# KiCad board qazimodo.kicad_pcb
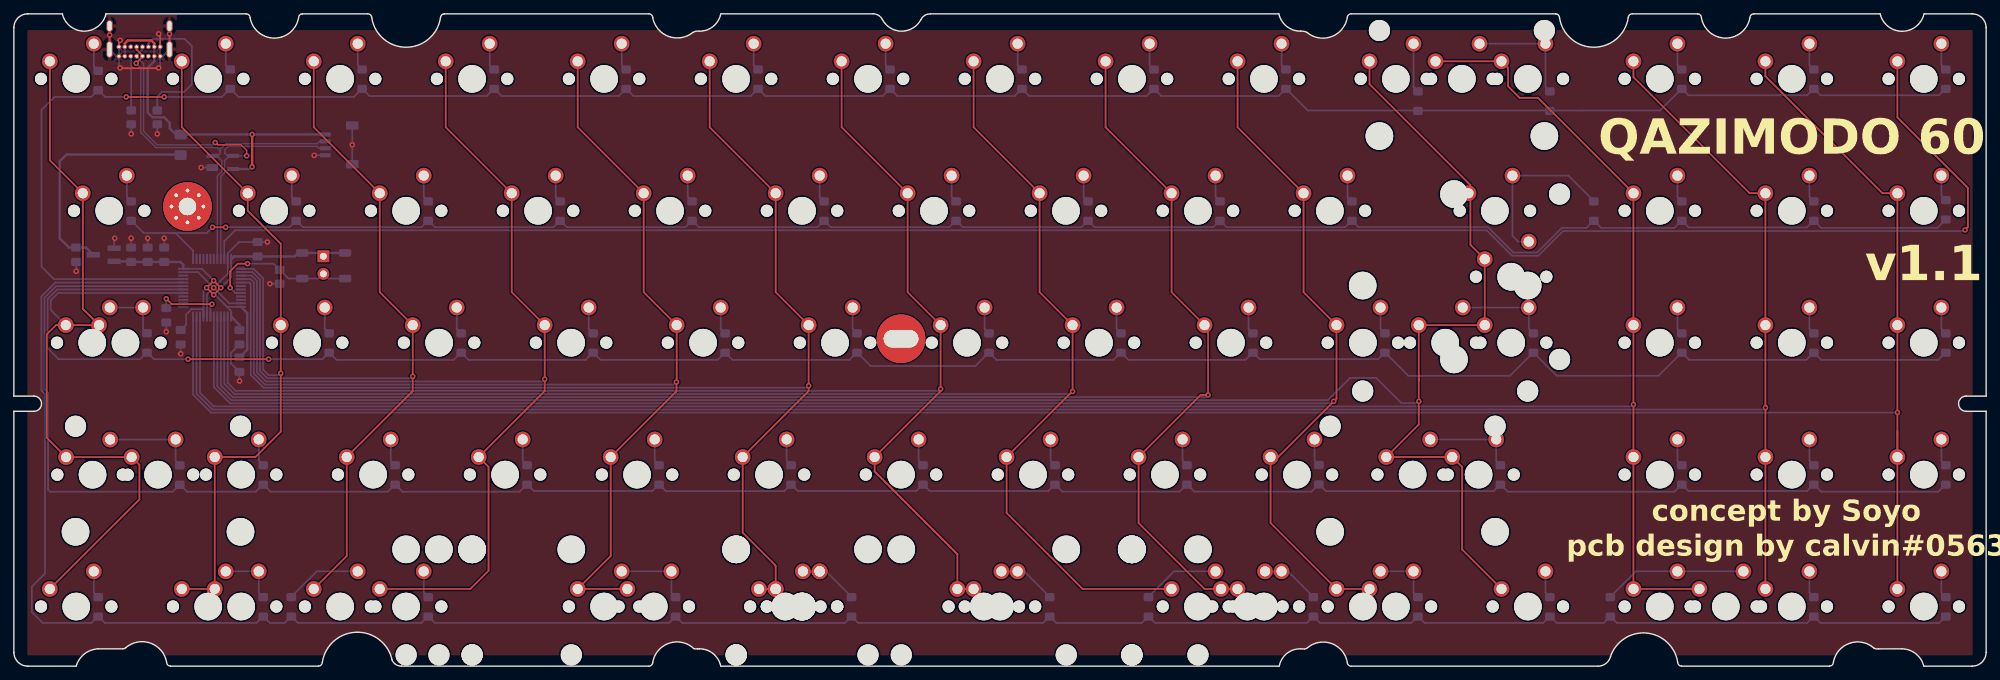
[diagram p0: board, top side]
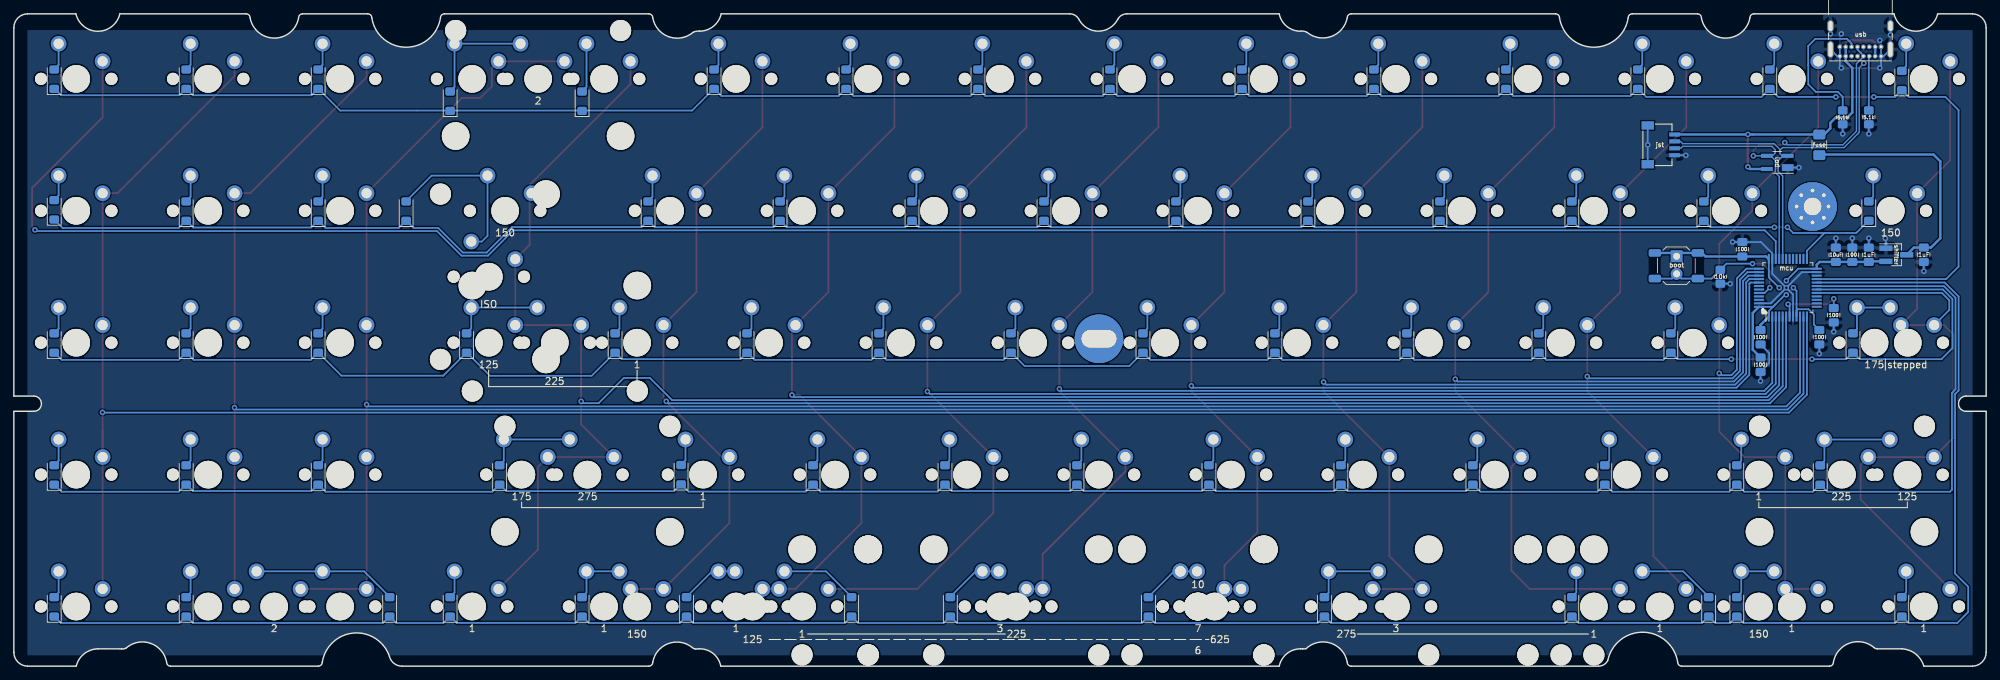
[diagram p1: board, bottom side, seen from below]

Outline 284.7 x 94.2 mm; copper layers: Top, Bottom. Coordinates in mm from the lower left corner of the outline.
Stack: Top 0.035mm / dielectric 1.51mm FR4 er 4.5 / Bottom 0.035mm

## Placement (name value [footprint] x y rotation side)
C9  100nF  [C_0805_2012Metric_Pad1.18x1.45mm_HandSolder]  21.7 59.41 90 bottom
C10  100nF  [C_0805_2012Metric_Pad1.18x1.45mm_HandSolder]  35.19 60.2 90 bottom
C11  100nF  [C_0805_2012Metric_Pad1.18x1.45mm_HandSolder]  32.56 43.54 270 bottom
C12  100nF  [C_0805_2012Metric_Pad1.18x1.45mm_HandSolder]  32.56 47.5 270 bottom
C13  100nF  [C_0805_2012Metric_Pad1.18x1.45mm_HandSolder]  24.08 47.5 270 bottom
C14  10uF  [C_0805_2012Metric_Pad1.18x1.45mm_HandSolder]  19.32 59.41 90 bottom
C15  100nF  [C_0805_2012Metric_Pad1.18x1.45mm_HandSolder]  22 50.68 270 bottom
C16  1uF  [C_0805_2012Metric_Pad1.18x1.45mm_HandSolder]  9 59.42 270 bottom
C17  1uF  [C_0805_2012Metric_Pad1.18x1.45mm_HandSolder]  16.94 59.41 90 bottom
D1  D_Small  [D_SOD-123F(handsoldering)]  35.99 27.26 90 bottom
D2  D_Small  [D_SOD-123F(handsoldering)]  12.17 84.22 90 bottom
D3  D_Small  [D_SOD-123F(handsoldering)]  16.94 65.36 90 bottom
D4  D_Small  [D_SOD-123F(handsoldering)]  19.22 46.32 90 bottom
D5  D_Small  [D_SOD-123F(handsoldering)]  23.95 27.25 90 bottom
D6  D_Small  [D_SOD-123F(handsoldering)]  12.17 8.21 90 bottom
D7  D_Small  [D_SOD-123F(handsoldering)]  31.22 84.41 90 bottom
D8  D_Small  [D_SOD-123F(handsoldering)]  40.75 65.36 90 bottom
D9  D_Small  [D_SOD-123F(handsoldering)]  45.51 46.31 90 bottom
D10  D_Small  [D_SOD-123F(handsoldering)]  55.04 27.26 90 bottom
D11  D_Small  [D_SOD-123F(handsoldering)]  35.99 8.21 90 bottom
D12  D_Small  [D_SOD-123F(handsoldering)]  50.27 84.41 90 bottom
D13  D_Small  [D_SOD-123F(handsoldering)]  59.8 65.36 90 bottom
D14  D_Small  [D_SOD-123F(handsoldering)]  64.56 46.31 90 bottom
D15  D_Small  [D_SOD-123F(handsoldering)]  74.09 27.26 90 bottom
D16  D_Small  [D_SOD-123F(handsoldering)]  40.05 8.21 90 bottom
D17  D_Small  [D_SOD-123F(handsoldering)]  69.32 84.41 90 bottom
D18  D_Small  [D_SOD-123F(handsoldering)]  78.85 65.36 90 bottom
D19  D_Small  [D_SOD-123F(handsoldering)]  83.61 46.31 90 bottom
D20  D_Small  [D_SOD-123F(handsoldering)]  93.14 27.26 90 bottom
D21  D_Small  [D_SOD-123F(handsoldering)]  59.8 8.21 90 bottom
D22  D_Small  [D_SOD-123F(handsoldering)]  88.37 84.41 90 bottom
D23  D_Small  [D_SOD-123F(handsoldering)]  97.9 65.36 90 bottom
D24  D_Small  [D_SOD-123F(handsoldering)]  102.66 46.31 90 bottom
D25  D_Small  [D_SOD-123F(handsoldering)]  112.19 27.26 90 bottom
D26  D_Small  [D_SOD-123F(handsoldering)]  95.52 8.21 90 bottom
D27  D_Small  [D_SOD-123F(handsoldering)]  107.42 84.41 90 bottom
D28  D_Small  [D_SOD-123F(handsoldering)]  116.95 65.36 90 bottom
D29  D_Small  [D_SOD-123F(handsoldering)]  121.71 46.31 90 bottom
D30  D_Small  [D_SOD-123F(handsoldering)]  131.24 27.26 90 bottom
D31  D_Small  [D_SOD-123F(handsoldering)]  120.92 8.21 90 bottom
D32  D_Small  [D_SOD-123F(handsoldering)]  126.47 84.41 90 bottom
D33  D_Small  [D_SOD-123F(handsoldering)]  136 65.36 90 bottom
D34  D_Small  [D_SOD-123F(handsoldering)]  140.76 46.31 90 bottom
D35  D_Small  [D_SOD-123F(handsoldering)]  150.29 27.26 90 bottom
D36  D_Small  [D_SOD-123F(handsoldering)]  149.52 8.21 90 bottom
D37  D_Small  [D_SOD-123F(handsoldering)]  145.52 84.41 90 bottom
D38  D_Small  [D_SOD-123F(handsoldering)]  155.05 65.36 90 bottom
D39  D_Small  [D_SOD-123F(handsoldering)]  159.81 46.31 90 bottom
D40  D_Small  [D_SOD-123F(handsoldering)]  169.34 27.26 90 bottom
D41  D_Small  [D_SOD-123F(handsoldering)]  163.78 8.21 90 bottom
D42  D_Small  [D_SOD-123F(handsoldering)]  188.39 27.3 90 bottom
D43  D_Small  [D_SOD-123F(handsoldering)]  164.57 84.41 90 bottom
D44  D_Small  [D_SOD-123F(handsoldering)]  174.1 65.36 90 bottom
D45  D_Small  [D_SOD-123F(handsoldering)]  178.86 46.31 90 bottom
D46  D_Small  [D_SOD-123F(handsoldering)]  214.58 27.26 90 bottom
D47  D_Small  [D_SOD-123F(handsoldering)]  187.59 8.21 90 bottom
D48  D_Small  [D_SOD-123F(handsoldering)]  219.34 46.31 90 bottom
D49  D_Small  [D_SOD-123F(handsoldering)]  183.62 84.41 90 bottom
D50  D_Small  [D_SOD-123F(handsoldering)]  193.15 65.36 90 bottom
D51  D_Small  [D_SOD-123F(handsoldering)]  197.91 46.31 90 bottom
D52  D_Small  [D_SOD-123F(handsoldering)]  240.77 27.26 90 bottom
D53  D_Small  [D_SOD-123F(handsoldering)]  202.67 8.21 90 bottom
D54  D_Small  [D_SOD-123F(handsoldering)]  202.67 81.23 90 bottom
D55  D_Small  [D_SOD-123F(handsoldering)]  228.07 65.36 90 bottom
D56  D_Small  [D_SOD-123F(handsoldering)]  240.77 46.31 90 bottom
D57  D_Small  [D_SOD-123F(handsoldering)]  259.82 27.26 90 bottom
D58  D_Small  [D_SOD-123F(handsoldering)]  221.72 8.21 90 bottom
D59  D_Small  [D_SOD-123F(handsoldering)]  221.72 81.23 90 bottom
D60  D_Small  [D_SOD-123F(handsoldering)]  240.77 65.36 90 bottom
D61  D_Small  [D_SOD-123F(handsoldering)]  259.82 46.31 90 bottom
D62  D_Small  [D_SOD-123F(handsoldering)]  278.87 27.26 90 bottom
D63  D_Small  [D_SOD-123F(handsoldering)]  230.46 8.21 90 bottom
D64  D_Small  [D_SOD-123F(handsoldering)]  240.77 84.41 90 bottom
D65  D_Small  [D_SOD-123F(handsoldering)]  259.82 65.36 90 bottom
D66  D_Small  [D_SOD-123F(handsoldering)]  278.87 46.31 90 bottom
D67  D_Small  [D_SOD-123F(handsoldering)]  259.82 8.21 90 bottom
D68  D_Small  [D_SOD-123F(handsoldering)]  259.82 84.41 90 bottom
D69  D_Small  [D_SOD-123F(handsoldering)]  278.87 65.55 90 bottom
D70  D_Small  [D_SOD-123F(handsoldering)]  278.87 84.41 90 bottom
D71  D_Small  [D_SOD-123F(handsoldering)]  278.87 8.21 90 bottom
D72  PRTR5V0U2X  [SOT-143_Handsoldering]  30.14 72.74 0 bottom
F1  500mA  [Fuse_1206_3216Metric_Pad1.42x1.75mm_HandSolder]  24.08 75.28 270 bottom
J2  Conn_01x04_MountingPin  [JST-SR-4]  49.75 75.28 270 bottom
J3  USB_C_Receptacle_USB2.0  [USB_C_Receptacle_GCT_USB4085]  15.17 88.09 0 bottom
MX1  MX-NoLED  [MXOnly-1U-NoLED]  9 84.81 0 top
MX2  MX-NoLED  [MXOnly-1U-NoLED]  28.05 84.81 0 top
MX3  MX-NoLED  [MXOnly-1U-NoLED]  47.1 84.81 0 top
MX4  MX-NoLED  [MXOnly-1U-NoLED]  66.15 84.81 0 top
MX5  MX-NoLED  [MXOnly-1U-NoLED]  85.2 84.81 0 top
MX6  MX-NoLED  [MXOnly-1U-NoLED]  104.25 84.81 0 top
MX7  MX-NoLED  [MXOnly-1U-NoLED]  123.3 84.81 0 top
MX8  MX-NoLED  [MXOnly-1U-NoLED]  142.35 84.81 0 top
MX9  MX-NoLED  [MXOnly-1U-NoLED]  161.4 84.81 0 top
MX10  MX-NoLED  [MXOnly-1U-NoLED]  180.45 84.81 0 top
MX11  MX-NoLED  [MXOnly-1U-NoLED]  199.5 84.81 0 top
MX12  MX-NoLED  [MXOnly-1U-NoLED]  218.55 84.81 0 top
MX12a1  MX-NoLED  [MXOnly-2U-NoLED]  209.02 84.81 0 top
MX13  MX-NoLED  [MXOnly-1U-NoLED]  237.6 84.81 0 top
MX14  MX-NoLED  [MXOnly-1U-NoLED]  256.65 84.81 0 top
MX15  MX-NoLED  [MXOnly-1U-NoLED]  275.7 84.81 0 top
MX16  MX-NoLED  [MXOnly-1.5U-NoLED]  13.76 65.76 0 top
MX17  MX-NoLED  [MXOnly-1U-NoLED]  37.57 65.76 0 top
MX18  MX-NoLED  [MXOnly-1U-NoLED]  56.62 65.76 0 top
MX19  MX-NoLED  [MXOnly-1U-NoLED]  75.67 65.76 0 top
MX20  MX-NoLED  [MXOnly-1U-NoLED]  94.72 65.76 0 top
MX21  MX-NoLED  [MXOnly-1U-NoLED]  113.77 65.76 0 top
MX22  MX-NoLED  [MXOnly-1U-NoLED]  132.82 65.76 0 top
MX23  MX-NoLED  [MXOnly-1U-NoLED]  151.87 65.76 0 top
MX24  MX-NoLED  [MXOnly-1U-NoLED]  170.92 65.76 0 top
MX25  MX-NoLED  [MXOnly-1U-NoLED]  189.97 65.76 0 top
MX26  MX-NoLED  [MXOnly-1.5U-NoLED]  213.79 65.76 0 top
MX26a1  MX-NoLED  [MXOnly-ISO-ReversedStabilizers-NoLED]  216.14 56.23 0 top
MX27  MX-NoLED  [MXOnly-1U-NoLED]  237.6 65.76 0 top
MX28  MX-NoLED  [MXOnly-1U-NoLED]  256.65 65.76 0 top
MX29  MX-NoLED  [MXOnly-1U-NoLED]  275.7 65.76 0 top
MX30  MX-NoLED  [MXOnly-1.75U-NoLED]  16.11 46.71 0 top
MX30a1  MX-NoLED  [MXOnly-1.25U-NoLED]  11.31 46.71 0 top
MX31  MX-NoLED  [MXOnly-1U-NoLED]  42.34 46.71 0 top
MX32  MX-NoLED  [MXOnly-1U-NoLED]  61.39 46.71 0 top
MX33  MX-NoLED  [MXOnly-1U-NoLED]  80.44 46.71 0 top
MX34  MX-NoLED  [MXOnly-1U-NoLED]  99.49 46.71 0 top
MX35  MX-NoLED  [MXOnly-1U-NoLED]  118.54 46.71 0 top
MX36  MX-NoLED  [MXOnly-1U-NoLED]  137.59 46.71 0 top
MX37  MX-NoLED  [MXOnly-1U-NoLED]  156.64 46.71 0 top
MX38  MX-NoLED  [MXOnly-1U-NoLED]  175.69 46.71 0 top
MX39  MX-NoLED  [MXOnly-2.25U-ReversedStabilizers-NoLED]  206.61 46.71 0 top
MX39a1  MX-NoLED  [MXOnly-1U-NoLED]  194.74 46.71 0 top
MX39b1  MX-NoLED  [MXOnly-1.25U-NoLED]  216.14 46.71 0 top
MX40  MX-NoLED  [MXOnly-1U-NoLED]  237.6 46.71 0 top
MX41  MX-NoLED  [MXOnly-1U-NoLED]  256.65 46.71 0 top
MX42  MX-NoLED  [MXOnly-1U-NoLED]  275.7 46.71 0 top
MX43  MX-NoLED  [MXOnly-2.25U-NoLED]  20.81 27.66 0 top
MX43a1  MX-NoLED  [MXOnly-1.25U-NoLED]  11.36 27.64 0 top
MX43b1  MX-NoLED  [MXOnly-1U-NoLED]  32.81 27.66 0 top
MX44  MX-NoLED  [MXOnly-1U-NoLED]  51.86 27.66 0 top
MX45  MX-NoLED  [MXOnly-1U-NoLED]  70.91 27.66 0 top
MX46  MX-NoLED  [MXOnly-1U-NoLED]  89.96 27.66 0 top
MX47  MX-NoLED  [MXOnly-1U-NoLED]  109.01 27.66 0 top
MX48  MX-NoLED  [MXOnly-1U-NoLED]  128.06 27.66 0 top
MX49  MX-NoLED  [MXOnly-1U-NoLED]  147.11 27.66 0 top
MX50  MX-NoLED  [MXOnly-1U-NoLED]  166.16 27.66 0 top
MX51  MX-NoLED  [MXOnly-1U-NoLED]  185.21 27.66 0 top
MX51a1  MX-NoLED  [MXOnly-1.75U-NoLED]  211.44 27.66 0 top
MX51b1  MX-NoLED  [MXOnly-2.75U-NoLED]  201.91 27.66 0 top
MX52  MX-NoLED  [MXOnly-1U-NoLED]  237.6 27.66 0 top
MX53  MX-NoLED  [MXOnly-1U-NoLED]  256.65 27.66 0 top
MX54  MX-NoLED  [MXOnly-1U-NoLED]  275.7 27.66 0 top
MX55  MX-NoLED  [MXOnly-1U-NoLED]  9 8.61 0 top
MX56  MX-NoLED  [MXOnly-1U-NoLED]  28.05 8.61 0 top
MX56b1  MX-NoLED  [MXOnly-1.5U-NoLED]  32.81 8.61 0 top
MX57a1  MX-NoLED  [MXOnly-1U-NoLED]  47.1 8.61 0 top
MX58  MX-NoLED  [MXOnly-1U-NoLED]  56.62 8.61 0 top
MX59  MX-NoLED  [MXOnly-2.75U-ReversedStabilizers-NoLED]  92.37 8.61 0 top
MX59a1  MX-NoLED  [MXOnly-3U-ReversedStabilizers-NoLED]  85.2 8.61 0 top
MX60  MX-NoLED  [MXOnly-7U-ReversedStabilizers-NoLED]  113.77 8.61 0 top
MX60a1  MX-NoLED  [MXOnly-6.25U-ReversedStabilizers-NoLED]  111.36 8.61 0 top
MX60b1  MX-NoLED  [MXOnly-6U-Centered-ReversedStabilizers-NoLED]  113.77 8.61 0 top
MX60c1  MX-NoLED  [CherryMX_10.00u]  113.77 8.61 0 top
MX61  MX-NoLED  [MXOnly-2.25U-ReversedStabilizers-NoLED]  140.01 8.61 0 top
MX61a1  MX-NoLED  [MXOnly-3U-ReversedStabilizers-NoLED]  142.35 8.61 0 top
MX62  MX-NoLED  [MXOnly-1U-NoLED]  170.92 8.61 0 top
MX63  MX-NoLED  [MXOnly-1U-NoLED]  180.45 8.61 0 top
MX63b1  MX-NoLED  [MXOnly-1.25U-NoLED]  178.07 8.61 0 top
MX64  MX-NoLED  [MXOnly-1.5U-NoLED]  194.74 8.61 0 top
MX64b1  MX-NoLED  [MXOnly-1U-NoLED]  199.5 8.61 0 top
MX65b1  MX-NoLED  [MXOnly-1U-NoLED]  218.55 8.61 0 top
MX66  MX-NoLED  [MXOnly-1U-NoLED]  237.6 8.61 0 top
MX66a1  MX-NoLED  [MXOnly-2U-ReversedStabilizers-NoLED]  247.12 8.61 0 top
MX67  MX-NoLED  [MXOnly-1U-NoLED]  256.65 8.61 0 top
MX68  MX-NoLED  [MXOnly-1U-NoLED]  275.7 8.61 0 top
NOREF  -  [bad433fe-e59e-4cc5-9a2c-e9a85b9d332d]  284.11 0.59 0 top
R5  10k  [R_0805_2012Metric_Pad1.20x1.40mm_HandSolder]  38.37 56.23 270 bottom
R_USB1  5.1k  [R_0805_2012Metric_Pad1.20x1.40mm_HandSolder]  16.94 79.25 270 bottom
R_USB2  5.1k  [R_0805_2012Metric_Pad1.20x1.40mm_HandSolder]  20.71 79.25 270 bottom
SW1  SW_push  [SW_SPST_SKQG_WithStem]  44.72 57.82 180 bottom
SW2  SW_push  [PinHeader_1x02_P2.54mm_Vertical]  44.68 59.19 180 bottom
U2  STM32F072CBTx  [LQFP-48_7x7mm_P0.5mm]  28.62 54.65 90 bottom
U3  XC6206PxxxMR-Regulator_Linear  [SOT-23_Handsoldering]  12.97 59.41 180 bottom

## Library data of the parts
C9-C17 = -: ki_fp_filters: C_*
D1-D71 = -: ki_fp_filters: TO-???* *_Diode_* *SingleDiode* D_*
D72 = -: Datasheet: https://assets.nexperia.com/documents/data-sheet/PRTR5V0U2X.pdf; ki_fp_filters: SOT?143*
F1 = -: ki_fp_filters: *polyfuse* *PTC*
J2 = -: ki_fp_filters: Connector*:*_1x??_*
J3 = -: Datasheet: https://www.usb.org/sites/default/files/documents/usb_type-c.zip; ki_fp_filters: USB*C*Receptacle*
R5 R_USB1 R_USB2 = -: ki_fp_filters: R_*
U2 = -: Datasheet: https://www.st.com/resource/en/datasheet/stm32f072cb.pdf; ki_fp_filters: LQFP*7x7mm*P0.5mm*
U3 = -: Datasheet: https://www.torexsemi.com/file/xc6206/XC6206.pdf; LCSC: C5446; ki_fp_filters: SOT?23*

## Footprints (pads in the part's own frame, mm; a bottom-side part is the same pattern mirrored in y, then rotated)
bad433fe-e59e-4cc5-9a2c-e9a85b9d332d
  round 1 hole 0.5: 1(-261.353,65.795) 1(-261.353,65.795) 1(-260.679,67.422) 1(-260.679,67.422) 1(-260.679,64.169) 1(-260.679,64.169) 1(-259.053,68.095) 1(-259.053,68.095) 1(-259.053,63.495) 1(-259.053,63.495) 1(-257.426,67.422) 1(-257.426,67.422) 1(-257.426,64.169) 1(-257.426,64.169) 1(-256.753,65.795) 1(-256.753,65.795)
  round 7.001 hole 2.499: 1(-259.053,65.795) 1(-259.053,65.795)
  round 7 hole 5.001x2.499: 2(-156.053,46.695) 2(-156.053,46.695)
C_0805_2012Metric_Pad1.18x1.45mm_HandSolder
  rrect 1.175x1.45 smd: 1(-1.038,0) 2(1.038,0)
CherryMX_10.00u
  round 4 hole 4 unplated: (0,0)
  round 2.2 hole 1.5: 1(-3.81,2.54) 2(2.54,5.08)
D_SOD-123F(handsoldering)
  rrect 1.2x1.4 smd: 1(-1.05,0) 2(1.75,0)
Fuse_1206_3216Metric_Pad1.42x1.75mm_HandSolder
  rrect 1.425x1.75 smd: 1(-1.488,0) 2(1.488,0)
JST-SR-4
  rect 1.2x1.8 smd: (-2.8,0.9) (2.8,0.9)
  rect 0.6x1.55 smd: 1(-1.5,4.775) 2(-0.5,4.775) 3(0.5,4.775) 4(1.5,4.775)
LQFP-48_7x7mm_P0.5mm
  rrect 1.475x0.3 smd: 1(-4.162,2.75) 2(-4.162,2.25) 3(-4.162,1.75) 4(-4.162,1.25) 5(-4.162,0.75) 6(-4.162,0.25) 7(-4.162,-0.25) 8(-4.162,-0.75) 9(-4.162,-1.25) 10(-4.162,-1.75) 11(-4.162,-2.25) 12(-4.162,-2.75) 25(4.162,-2.75) 26(4.162,-2.25) 27(4.162,-1.75) 28(4.162,-1.25) 29(4.162,-0.75) 30(4.162,-0.25) 31(4.162,0.25) 32(4.162,0.75) 33(4.162,1.25) 34(4.162,1.75) 35(4.162,2.25) 36(4.162,2.75)
  rrect 0.3x1.475 smd: 13(-2.75,-4.162) 14(-2.25,-4.162) 15(-1.75,-4.162) 16(-1.25,-4.162) 17(-0.75,-4.162) 18(-0.25,-4.162) 19(0.25,-4.162) 20(0.75,-4.162) 21(1.25,-4.162) 22(1.75,-4.162) 23(2.25,-4.162) 24(2.75,-4.162) 37(2.75,4.162) 38(2.25,4.162) 39(1.75,4.162) 40(1.25,4.162) 41(0.75,4.162) 42(0.25,4.162) 43(-0.25,4.162) 44(-0.75,4.162) 45(-1.25,4.162) 46(-1.75,4.162) 47(-2.25,4.162) 48(-2.75,4.162)
MXOnly-1.5U-NoLED
  round 1.75 hole 1.75 unplated: (-5.08,0) (5.08,0)
  round 3.988 hole 3.988 unplated: (0,0)
  round 2.25 hole 1.47: 1(-3.81,2.54) 2(2.54,5.08)
MXOnly-1.25U-NoLED
  round 1.75 hole 1.75 unplated: (-5.08,0) (5.08,0)
  round 3.988 hole 3.988 unplated: (0,0)
  round 2.25 hole 1.47: 1(-3.81,2.54) 2(2.54,5.08)
MXOnly-1.75U-NoLED
  round 1.75 hole 1.75 unplated: (-5.08,0) (5.08,0)
  round 3.988 hole 3.988 unplated: (0,0)
  round 2.25 hole 1.47: 1(-3.81,2.54) 2(2.54,5.08)
MXOnly-1U-NoLED
  round 1.75 hole 1.75 unplated: (-5.08,0) (5.08,0)
  round 3.988 hole 3.988 unplated: (0,0)
  round 2.25 hole 1.47: 1(-3.81,2.54) 2(2.54,5.08)
MXOnly-2.25U-NoLED
  round 3.048 hole 3.048 unplated: (-11.906,6.985) (11.906,6.985)
  round 3.988 hole 3.988 unplated: (-11.906,-8.255) (0,0) (11.906,-8.255)
  round 1.75 hole 1.75 unplated: (-5.08,0) (5.08,0)
  round 2.25 hole 1.47: 1(-3.81,2.54) 2(2.54,5.08)
MXOnly-2.25U-ReversedStabilizers-NoLED
  round 3.988 hole 3.988 unplated: (-11.906,8.255) (0,0) (11.906,8.255)
  round 3.048 hole 3.048 unplated: (-11.906,-6.985) (11.906,-6.985)
  round 1.75 hole 1.75 unplated: (-5.08,0) (5.08,0)
  round 2.25 hole 1.47: 1(-3.81,2.54) 2(2.54,5.08)
MXOnly-2.75U-NoLED
  round 3.048 hole 3.048 unplated: (-11.906,6.985) (11.906,6.985)
  round 3.988 hole 3.988 unplated: (-11.906,-8.255) (0,0) (11.906,-8.255)
  round 1.75 hole 1.75 unplated: (-5.08,0) (5.08,0)
  round 2.25 hole 1.47: 1(-3.81,2.54) 2(2.54,5.08)
MXOnly-2.75U-ReversedStabilizers-NoLED
  round 3.988 hole 3.988 unplated: (-11.906,8.255) (0,0) (11.906,8.255)
  round 3.048 hole 3.048 unplated: (-11.906,-6.985) (11.906,-6.985)
  round 1.75 hole 1.75 unplated: (-5.08,0) (5.08,0)
  round 2.25 hole 1.47: 1(-3.81,2.54) 2(2.54,5.08)
MXOnly-2U-NoLED
  round 3.048 hole 3.048 unplated: (-11.906,6.985) (11.906,6.985)
  round 3.988 hole 3.988 unplated: (-11.906,-8.255) (0,0) (11.906,-8.255)
  round 1.75 hole 1.75 unplated: (-5.08,0) (5.08,0)
  round 2.25 hole 1.47: 1(-3.81,2.54) 2(2.54,5.08)
MXOnly-2U-ReversedStabilizers-NoLED
  round 1.75 hole 1.75 unplated: (-5.08,0) (5.08,0)
  round 3.988 hole 3.988 unplated: (0,0)
  round 2.25 hole 1.47: 1(-3.81,2.54) 2(2.54,5.08)
MXOnly-3U-ReversedStabilizers-NoLED
  round 3.988 hole 3.988 unplated: (-19.05,8.255) (0,0) (19.05,8.255)
  round 3.048 hole 3.048 unplated: (-19.05,-6.985) (19.05,-6.985)
  round 1.75 hole 1.75 unplated: (-5.08,0) (5.08,0)
  round 2.25 hole 1.47: 1(-3.81,2.54) 2(2.54,5.08)
MXOnly-6.25U-ReversedStabilizers-NoLED
  round 3.988 hole 3.988 unplated: (-50,8.255) (0,0) (50,8.255)
  round 3.048 hole 3.048 unplated: (-50,-6.985) (50,-6.985)
  round 1.75 hole 1.75 unplated: (-5.08,0) (5.08,0)
  round 2.25 hole 1.47: 1(-3.81,2.54) 2(2.54,5.08)
MXOnly-6U-Centered-ReversedStabilizers-NoLED
  round 3.988 hole 3.988 unplated: (-47.625,8.255) (0,0) (47.625,8.255)
  round 3.048 hole 3.048 unplated: (-47.625,-6.985) (47.625,-6.985)
  round 1.75 hole 1.75 unplated: (-5.08,0) (5.08,0)
  round 2.25 hole 1.47: 1(-3.81,2.54) 2(2.54,5.08)
MXOnly-7U-ReversedStabilizers-NoLED
  round 3.988 hole 3.988 unplated: (-57.15,8.255) (0,0) (57.15,8.255)
  round 3.048 hole 3.048 unplated: (-57.15,-6.985) (57.15,-6.985)
  round 1.75 hole 1.75 unplated: (-5.08,0) (5.08,0)
  round 2.25 hole 1.47: 1(-3.81,2.54) 2(2.54,5.08)
MXOnly-ISO-ReversedStabilizers-NoLED
  round 3.988 hole 3.988 unplated: (-8.255,11.938) (-8.255,-11.938) (0,0)
  round 1.75 hole 1.75 unplated: (-5.08,0) (5.08,0)
  round 3.048 hole 3.048 unplated: (6.985,11.938) (6.985,-11.938)
  round 2.25 hole 1.47: 1(-3.81,2.54) 2(2.54,5.08)
PinHeader_1x02_P2.54mm_Vertical
  rect 1.7x1.7 hole 1: 1(0,0)
  oval 1.7x1.7 hole 1: 2(0,-2.54)
R_0805_2012Metric_Pad1.20x1.40mm_HandSolder
  rrect 1.2x1.4 smd: 1(-1,0) 2(1,0)
SOT-23_Handsoldering
  rect 1.9x0.8 smd: 1(-1.5,0.95) 2(-1.5,-0.95) 3(1.5,0)
SOT-143_Handsoldering
  rect 1.7x1 smd: 1(-1.5,0.75)
  rect 1.7x0.6 smd: 2(-1.5,-0.95) 3(1.5,-0.95) 4(1.5,0.95)
SW_SPST_SKQG_WithStem
  rrect 1.8x1.1 smd: 1(-3.1,1.85) 1(3.1,1.85) 2(-3.1,-1.85) 2(3.1,-1.85)
USB_C_Receptacle_GCT_USB4085
  round 0.7 hole 0.4: A1(0,0) A4(0.85,0) A5(1.7,0) A6(2.55,0) A7(3.4,0) A8(4.25,0) A9(5.1,0) A12(5.95,0) B1(5.95,-1.35) B4(5.1,-1.35) B5(4.25,-1.35) B6(3.4,-1.35) B7(2.55,-1.35) B8(1.7,-1.35) B9(0.85,-1.35) B12(0,-1.35)
  oval 0.9x1.7 hole 0.6x1.4: S1(-1.35,-4.36) S1(7.3,-4.36)
  oval 0.9x2.4 hole 0.6x2.1: S1(-1.35,-0.98) S1(7.3,-0.98)

## Nets
+3V3: C9.1 C10.1 C11.1 C12.1 C13.1 C14.1 C17.1 SW1.1 SW2.1 U2.1 U2.9 U2.24 U2.36 U2.48 U3.2
+5V: C16.1 F1.2 U3.3
GND: C9.2 C10.2 C11.2 C12.2 C13.2 C14.2 C15.2 C16.2 C17.2 D72.1 J2.4 J3.A1 J3.A12 J3.B1 J3.B12 J3.S1 R5.2 R_USB1.2 R_USB2.2 U2.8 U2.23 U2.35 U2.47 U3.1
VCC: D72.4 F1.1 J2.1 J3.A4 J3.A9 J3.B4 J3.B9
BOOT0: R5.1 SW1.2 SW2.2 U2.44
COL0: MX1.1 MX16.1 MX30.1 MX30a1.1 MX43.1 MX43a1.1 MX55.1 U2.17
COL1: MX2.1 MX17.1 MX31.1 MX43b1.1 MX56.1 MX56b1.1 U2.37
COL2: MX3.1 MX18.1 MX32.1 MX44.1 MX57a1.1 U2.38
COL3: MX4.1 MX19.1 MX33.1 MX45.1 MX58.1 U2.39
COL4: MX5.1 MX20.1 MX34.1 MX46.1 MX59.1 MX59a1.1 U2.40
COL5: MX6.1 MX21.1 MX35.1 MX47.1 MX60.1 MX60a1.1 MX60b1.1 MX60c1.1 U2.41
COL6: MX7.1 MX22.1 MX36.1 MX48.1 MX61.1 MX61a1.1 U2.2
COL7: MX8.1 MX23.1 MX37.1 MX49.1 MX62.1 U2.3
COL8: MX9.1 MX24.1 MX38.1 MX50.1 MX63.1 MX63b1.1 U2.4
COL9: MX10.1 MX25.1 MX39a1.1 MX51.1 MX64.1 MX64b1.1 U2.6
COL10: MX11.1 MX26.1 MX26a1.1 MX39.1 MX39b1.1 MX51a1.1 MX51b1.1 MX65b1.1 U2.5
COL11: MX12.1 MX12a1.1 MX27.1 MX40.1 MX52.1 MX66.1 MX66a1.1 U2.10
COL12: MX13.1 MX28.1 MX41.1 MX53.1 MX67.1 U2.11
COL13: MX14.1 MX29.1 MX42.1 MX54.1 MX68.1 U2.12
COL14: MX15.1 U2.34
D+: D72.3 J2.3 J3.A6 J3.B6 U2.33
D-: D72.2 J2.2 J3.A7 J3.B7 U2.32
NRST: C15.1 U2.7
ROW0: D2.1 D7.1 D12.1 D17.1 D22.1 D27.1 D32.1 D37.1 D43.1 D49.1 D54.1 D59.1 D64.1 D68.1 D70.1 U2.21
ROW1: D3.1 D8.1 D13.1 D18.1 D23.1 D28.1 D33.1 D38.1 D44.1 D50.1 D55.1 D60.1 D65.1 D69.1 U2.25
ROW2: D4.1 D9.1 D14.1 D19.1 D24.1 D29.1 D34.1 D39.1 D45.1 D48.1 D51.1 D56.1 D61.1 D66.1 U2.18
ROW3: D1.1 D5.1 D10.1 D15.1 D20.1 D25.1 D30.1 D35.1 D40.1 D42.1 D46.1 D52.1 D57.1 D62.1 U2.19
ROW4: D6.1 D11.1 D16.1 D21.1 D26.1 D31.1 D36.1 D41.1 D47.1 D53.1 D58.1 D63.1 D67.1 D71.1 U2.20
Net-(C_USBSHIELD1-Pad1): NOREF.1
Net-(D1-A): D1.2 MX43b1.2
Net-(D2-A): D2.2 MX1.2
Net-(D3-A): D3.2 MX16.2
Net-(D4-A): D4.2 MX30.2 MX30a1.2
Net-(D5-A): D5.2 MX43.2 MX43a1.2
Net-(D6-A): D6.2 MX55.2
Net-(D7-A): D7.2 MX2.2
Net-(D8-A): D8.2 MX17.2
Net-(D9-A): D9.2 MX31.2
Net-(D10-A): D10.2 MX44.2
Net-(D11-A): D11.2 MX56.2 MX56b1.2
Net-(D12-A): D12.2 MX3.2
Net-(D13-A): D13.2 MX18.2
Net-(D14-A): D14.2 MX32.2
Net-(D15-A): D15.2 MX45.2
Net-(D16-A): D16.2 MX57a1.2
Net-(D17-A): D17.2 MX4.2
Net-(D18-A): D18.2 MX19.2
Net-(D19-A): D19.2 MX33.2
Net-(D20-A): D20.2 MX46.2
Net-(D21-A): D21.2 MX58.2
Net-(D22-A): D22.2 MX5.2
Net-(D23-A): D23.2 MX20.2
Net-(D24-A): D24.2 MX34.2
Net-(D25-A): D25.2 MX47.2
Net-(D26-A): D26.2 MX59.2 MX59a1.2
Net-(D27-A): D27.2 MX6.2
Net-(D28-A): D28.2 MX21.2
Net-(D29-A): D29.2 MX35.2
Net-(D30-A): D30.2 MX48.2
Net-(D31-A): D31.2 MX60.2 MX60a1.2 MX60b1.2 MX60c1.2
Net-(D32-A): D32.2 MX7.2
Net-(D33-A): D33.2 MX22.2
Net-(D34-A): D34.2 MX36.2
Net-(D35-A): D35.2 MX49.2
Net-(D36-A): D36.2 MX61.2 MX61a1.2
Net-(D37-A): D37.2 MX8.2
Net-(D38-A): D38.2 MX23.2
Net-(D39-A): D39.2 MX37.2
Net-(D40-A): D40.2 MX50.2
Net-(D41-A): D41.2 MX62.2
Net-(D42-A): D42.2 MX51.2
Net-(D43-A): D43.2 MX9.2
Net-(D44-A): D44.2 MX24.2
Net-(D45-A): D45.2 MX38.2
Net-(D46-A): D46.2 MX51a1.2 MX51b1.2
Net-(D47-A): D47.2 MX63.2 MX63b1.2
Net-(D48-A): D48.2 MX39.2 MX39b1.2
Net-(D49-A): D49.2 MX10.2
Net-(D50-A): D50.2 MX25.2
Net-(D51-A): D51.2 MX39a1.2
Net-(D52-A): D52.2 MX52.2
Net-(D53-A): D53.2 MX64.2 MX64b1.2
Net-(D54-A): D54.2 MX11.2
Net-(D55-A): D55.2 MX26.2 MX26a1.2
Net-(D56-A): D56.2 MX40.2
Net-(D57-A): D57.2 MX53.2
Net-(D58-A): D58.2 MX65b1.2
Net-(D59-A): D59.2 MX12.2 MX12a1.2
Net-(D60-A): D60.2 MX27.2
Net-(D61-A): D61.2 MX41.2
Net-(D62-A): D62.2 MX54.2
Net-(D63-A): D63.2 MX66.2 MX66a1.2
Net-(D64-A): D64.2 MX13.2
Net-(D65-A): D65.2 MX28.2
Net-(D66-A): D66.2 MX42.2
Net-(D67-A): D67.2 MX67.2
Net-(D68-A): D68.2 MX14.2
Net-(D69-A): D69.2 MX29.2
Net-(D70-A): D70.2 MX15.2
Net-(D71-A): D71.2 MX68.2
Net-(J3-CC1): J3.A5 R_USB1.1
Net-(J3-CC2): J3.B5 R_USB2.1

Pads without a net: J3 A8 B8; NOREF 2; U2 13 14 15 16 22 26 27 28 29 30 31 42 43 45 46

## Via types
v1: diameter 0.8, hole 0.4, Top to Bottom, 55 vias

## Routing (per net, layer and track width the routed paths; a pad name or vN(x,y) marks a point on that pad's centre or on a via; arc(x,y) is an arc through that point)
+3V3: length 71.7
  Top w0.25: v1(27.82,54.65) v1(28.84,55.67) v1(29.87,54.65) v1(28.84,53.62) v1(27.82,54.65)
  Bottom w0.25: U2.1 31.37,51.29 30.41,52.25 ; 30.41,52.25 29.04,53.62 v1(28.84,53.62) ; 30.41,52.25 30.76,51.9 U2.48 ; C13.1 24.87,49.33 24.87,50.79 25.63,51.55 27.18,51.55 27.37,51.36 U2.9 27.37,54.2 v1(27.82,54.65) ; U2.36 31.37,56.15 v1(29.87,54.65) ; v1(28.84,55.67) 27.12,57.4 U2.24
  Bottom w0.35: SW1.1 45.16,59.67 SW2.1 44.2,59.67 SW1.1 41.01,59.67 40.51,59.17 C10.1 31.77,59.17 31.4,58.79 31.4,58.81 ; 32.78,51.87 32.81,51.87 33.69,50.99 33.69,45.7 C11.1 ; C12.1 32.56,49.3 31.4,50.46 31.4,50.48 ; U3.2 16.85,58.46 C17.1 C9.1 24.04,58.37 24.46,57.96 24.46,57.42
+5V: length 34.9
  Bottom w0.35: U3.3 10.42,60.45 C16.1 7.96,60.45 6.62,61.79 6.62,72.9 7.6,73.88 23.99,73.88 F1.2
GND: length 76.5
  Top w0.25: v1(15.35,86.4) 15.41,86.34 20.85,86.34 v1(20.91,86.4) ; J3.B12 15.17,90.19 v1(15.35,90.37) ; J3.S1 J3.S1 ; J3.S1 J3.S1 v1(22.47,91.32) ; v1(20.91,91.32) 21.12,91.1 J3.B1
  Bottom w0.25: v1(43.35,73.76) 43.38,73.78 J2.4 ; J3.A1 15.17,86.58 v1(15.35,86.4) ; J3.A1 14.8,88.09 J3.S1 ; J3.A1 J3.B12 ; C13.2 v1(24.08,45.12) ; v1(32.57,41.18) 32.56,41.19 C11.2 31.32,43.74 31.32,45.23 32.56,46.47 C12.2 ; 19.32,60.45 v1(19.32,61.79) ; v1(27.03,72) 27.04,71.99 D72.1 ; v1(28.84,54.65) 26.59,56.9 U2.23 ; v1(28.84,54.65) 30.87,56.68 U2.35 30.87,59.61 32.5,61.24 C10.2 36.59,61.24 v1(36.6,61.25) ; v1(28.84,54.65) 31.09,52.4 U2.47 ; v1(28.84,54.65) 27.87,53.68 U2.8 ; R_USB2.2 20.71,76.88 v1(20.71,76.87) ; C16.2 v1(9,57.03) ; R5.2 36.96,55.23 v1(36.96,55.23) ; R_USB1.2 v1(16.94,76.87) ; J3.A12 J3.B1 ; J3.A12 21.12,86.61 v1(20.91,86.4) ; J3.A12 21.49,88.09 J3.S1 ; U3.1 14.47,61.7 v1(14.56,61.79) ; 16.94,60.45 v1(16.94,61.79) ; 21.7,60.45 v1(21.7,61.79) ; C15.2 v1(22,48.3)
  vias: v1(13.82,91.16)
VCC: length 53.6
  Top w0.35: J3.B9 16.02,89.93 16.46,90.37 19.83,90.37 20.27,89.93 J3.B4 ; v1(34.4,72.11) v1(34.4,76.79)
  Bottom w0.25: v1(34.4,76.79) 33.61,76.79 33.61,76.78 ; D72.4 32.61,71.79
  Bottom w0.35: J3.B4 J3.A9 20.27,87.35 19.32,86.4 19.32,79.95 20.01,79.25 21.7,79.25 22.49,78.46 22.49,77.67 23.37,76.78 J2.1 ; D72.4 34.08,71.79 v1(34.4,72.11) ; J3.B9 J3.A4
(no net): length 5.6
  Bottom w0.25: 48.85,72.48 48.85,78.08
  vias: v1(48.85,75.28)
BOOT0: length 22.8
  Top w0.25: v1(33.73,58.12) 32.32,58.12 31.22,57.03 v1(31.22,54.65)
  Bottom w0.25: v1(31.22,54.65) 31.97,53.9 U2.44 ; v1(33.73,58.12) 37.48,58.12 R5.1 39.63,55.97 SW1.2 44,55.97 SW2.2 45.36,55.97 SW1.2
COL0: length 126.4
  Top w0.25: MX1.1 5.19,73.06 MX16.1 9.95,51.6 MX30.1 MX30a1.1 6.08,49.25 4.74,47.92 4.74,32.99 MX43a1.1 16.98,30.18 ; MX43.1 18.13,29.07 18.13,24.09 MX55.1
  Bottom w0.25: MX30a1.1 5.32,51.43 5.32,52.83 6.39,53.9 U2.17
COL1: length 114.3
  Top w0.25: MX56.1 MX56b1.1 MX43b1.1 34.86,30.2 38.53,33.86 MX31.1 38.53,61 33.76,65.76 MX17.1 24.24,77.82 MX2.1
  Bottom w0.25: U2.37 34.59,57.4 35.99,56 35.99,42.81 36.78,42.01 38.34,42.01 38.53,42.2 v1(38.53,42.29)
COL2: length 127.1
  Top w0.25: MX3.1 43.29,77.82 MX18.1 52.81,54.01 MX32.1 v1(57.58,41.84) 57.58,39.72 MX44.1 48.05,15.91 MX57a1.1
  Bottom w0.25: v1(57.58,41.84) 57.58,41.69 57.45,41.56 36.59,41.56 35.54,42.62 35.54,55.81 34.45,56.9 U2.38
COL3: length 158.9
  Top w0.25: MX58.1 65.9,11.15 68.52,13.77 68.52,28.78 MX45.1 76.63,39.72 v1(76.63,41.44) MX33.1 71.86,54.01 MX19.1 62.34,77.82 MX4.1
  Bottom w0.25: v1(76.63,41.44) 76.3,41.11 36.41,41.11 35.09,42.43 35.09,55.63 34.32,56.4 U2.39
COL4: length 172.3
  Top w0.25: MX5.1 81.39,77.82 MX20.1 90.91,54.01 MX34.1 95.68,41.06 v1(95.64,41.03) 95.64,39.69 MX46.1 86.15,15.91 MX59a1.1 MX59.1
  Bottom w0.25: v1(95.64,41.03) 95.64,41.02 95.28,40.66 36.22,40.66 34.64,42.25 34.64,55.44 34.18,55.9 U2.40
COL5: length 186.5
  Top w0.25: MX60a1.1 MX60b1.1 109.96,14.45 109.9,14.52 109.9,14.6 105.2,19.29 MX47.1 114.73,39.72 v1(114.73,40.49) MX35.1 109.96,54.01 MX21.1 100.44,77.82 MX6.1
  Bottom w0.25: v1(114.73,40.49) 114.73,40.42 114.52,40.21 36.03,40.21 34.19,42.06 34.19,55.23 34.02,55.4 U2.41
COL6: length 223.3
  Top w0.25: MX7.1 119.49,77.82 MX22.1 129.01,54.01 MX36.1 v1(133.78,40.04) 133.78,39.72 MX48.1 124.25,28.12 ; MX61a1.1 MX61.1 136.2,16.17 ; 124.25,28.12 135.94,16.43 136.2,16.17 ; 124.25,28.12 136.2,16.17
  Bottom w0.25: U2.2 30.87,40.91 32.02,39.76 133.5,39.76 v1(133.78,40.04)
COL7: length 236.4
  Top w0.25: MX8.1 138.54,77.82 MX23.1 148.06,54.01 MX37.1 v1(152.83,39.66) 152.76,39.66 MX49.1 143.3,22.13 154.28,11.15 MX62.1
  Bottom w0.25: U2.3 30.37,40.77 31.83,39.31 152.48,39.31 v1(152.83,39.66)
COL8: length 249.1
  Top w0.25: MX9.1 157.59,77.82 MX24.1 167.11,54.01 MX38.1 172.38,48.74 v1(172.38,39.15) 171.31,39.15 MX50.1 162.35,20.67 171.88,11.15 MX63.1
  Bottom w0.25: U2.4 29.87,40.57 31.58,38.86 172.09,38.86 v1(172.38,39.15)
COL9: length 268.3
  Top w0.25: MX10.1 176.64,77.82 MX25.1 186.16,54.01 MX39a1.1 190.93,38.64 v1(190.53,38.24) 182.49,30.2 MX51.1 181.4,20.67 MX64.1 MX64b1.1
  Bottom w0.25: v1(190.53,38.24) 190.25,37.96 31.2,37.96 28.87,40.3 U2.6
COL10: length 297.1
  Top w0.25: MX11.1 195.69,84.05 210.25,69.49 210.25,67.45 210.25,68.57 ; 202.8,42.02 202.8,34.9 MX51b1.1 MX51a1.1 209.07,28.76 209.07,16.82 MX65b1.1 ; 202.8,42.02 MX39.1 MX39b1.1 MX26a1.1 210.25,60.85 210.25,68.3 ; 202.8,42.02 202.8,41.2
  Bottom w0.25: U2.5 29.37,40.43 31.39,38.41 189.68,38.41 192.89,41.62 196.65,41.62 200.29,37.98 202.56,37.98 v1(202.82,38.24)
COL11: length 323.8
  Top w0.25: MX66a1.1 MX66.1 MX52.1 233.79,37.65 ; 233.79,37.65 v1(233.79,37.79) ; 233.79,37.65 MX40.1 MX27.1 220.01,82.08 217.34,82.08 215.69,83.73 215.69,86.4 MX12.1 MX12a1.1
  Bottom w0.25: v1(233.79,37.79) 233.79,37.64 233.66,37.51 28.84,37.51 26.87,39.49 U2.10
COL12: length 324.1
  Top w0.25: MX13.1 233.79,85.06 250.55,68.3 MX28.1 MX41.1 252.84,37.35 v1(252.85,37.34) 252.84,37.33 MX53.1 MX67.1
  Bottom w0.25: U2.11 26.37,39.35 28.66,37.06 252.58,37.06 v1(252.85,37.34)
COL13: length 347.6
  Top w0.25: 271.89,34.01 MX54.1 ; MX54.1 271.89,36.63 v1(271.9,36.64) 271.89,36.65 MX42.1 MX29.1 269.73,68.3 252.84,85.19 MX14.1 ; MX54.1 MX68.1
  Bottom w0.25: U2.12 25.87,39.21 28.47,36.61 271.88,36.61 v1(271.9,36.64)
COL14: length 286.3
  Top w0.25: MX15.1 271.89,79.24 282.06,69.07 282.06,63.41 v1(281.66,63)
  Bottom w0.25: U2.34 30.37,61.36 31.95,62.94 212.6,62.94 216.27,59.28 220.07,59.28 223.63,62.83 281.48,62.83 v1(281.66,63)
D+: length 64.6
  Top w0.2: v1(29.07,75.61) 29.4,75.28 32.81,75.28 33.61,74.49 v1(33.61,73.7)
  Bottom w0.2: D72.3 33.6,73.69 v1(33.61,73.7) ; J2.3 44.08,74.78 43.81,75.06 30.94,75.06 30.46,74.59 30.46,74.08 30.85,73.69 31.14,73.69 ; v1(29.07,75.61) 28.74,75.28 20.68,75.28 18.72,77.24 18.72,86.99 17.72,87.99 J3.A6 ; U2.33 29.87,70.72 30.42,71.27 30.42,73.02 31.09,73.69 31.14,73.69 ; 31.14,73.69 32.11,73.69
  Bottom w0.25: J3.A6 17.72,88.19 18.57,89.04 J3.B6
D-: length 59.2
  Top w0.25: J3.A7 18.57,87.97 v1(17.66,87.06) ; 18.57,88.19 17.72,89.04 J3.B7
  Bottom w0.2: 29.44,73.69 29.76,74.01 29.76,74.49 ; 29.44,73.69 29.14,73.69 29.32,73.69 30.02,73 30.02,71.44 29.37,70.79 U2.32 ; 29.44,73.69 D72.2 ; J2.2 44.13,75.78 43.81,75.46 30.61,75.46 29.76,74.62 29.76,74.49 ; 29.76,74.49 29.37,74.88 20.51,74.88 18.32,77.07 18.32,86.4 v1(17.66,87.06)
NRST: length 10.1
  Top w0.25: v1(28.6,52.27) 22.79,52.27 v1(22,53.06)
  Bottom w0.25: v1(22,53.06) C15.1 ; U2.7 28.37,52.04 v1(28.6,52.27)
ROW0: length 332.8
  Top w0.25: 17.25,82.21 17.73,82.21 ; 17.73,82.21 v1(16.21,82.21) ; 17.73,82.21 v1(21.7,82.21)
  Bottom w0.25: v1(16.21,82.21) 13.19,82.21 12.17,83.22 11.16,82.21 5.89,82.21 3.98,80.3 3.98,57.7 5.78,55.9 U2.21 ; v1(21.7,82.21) 30.02,82.21 31.22,83.41 32.43,82.21 49.07,82.21 50.27,83.41 51.35,82.33 68.25,82.33 69.32,83.41 70.4,82.33 87.3,82.33 88.37,83.41 89.45,82.33 106.35,82.33 107.42,83.41 108.5,82.33 125.4,82.33 126.47,83.41 127.55,82.33 144.45,82.33 145.52,83.41 146.6,82.33 163.5,82.33 164.57,83.41 165.65,82.33 182.55,82.33 183.62,83.41 186.8,80.23 237.6,80.23 240.77,83.41 241.74,82.44 258.86,82.44 259.82,83.41 260.79,82.44 277.88,82.44 278.85,83.41 278.87,83.41
ROW1: length 282.1
  Top w0.25: v1(28.67,63.38) v1(30.57,63.38)
  Bottom w0.25: 278.87,64.55 278.87,64.49 277.67,63.28 260.9,63.28 259.82,64.36 259.82,64.36 258.81,63.35 241.79,63.35 240.77,64.36 239.7,63.28 229.15,63.28 228.07,64.36 227,63.28 223.44,63.28 219.88,59.73 216.45,59.73 212.77,63.41 194.1,63.41 193.15,64.36 193.15,64.36 192.18,63.39 175.07,63.39 174.1,64.36 173.13,63.39 156.02,63.39 155.05,64.36 154.08,63.39 136.97,63.39 136,64.36 135.03,63.39 117.92,63.39 116.95,64.36 115.98,63.39 98.87,63.39 97.9,64.36 96.93,63.39 79.82,63.39 78.85,64.36 77.88,63.39 60.77,63.39 59.8,64.36 58.83,63.39 41.72,63.39 40.75,64.36 39.78,63.39 30.58,63.39 v1(30.57,63.38) ; 22.49,62.56 18.74,62.56 16.94,64.36 ; 22.49,62.56 23.32,62.56 25.87,60 U2.25 ; 22.49,62.56 27.85,62.56 v1(28.67,63.38)
ROW2: length 318.3
  Top w0.25: v1(36.78,44.33) v1(25.15,44.33)
  Bottom w0.25: v1(25.15,44.33) 20.21,44.33 19.22,45.32 18.23,44.33 6.46,44.33 4.87,45.92 4.87,53.02 6.25,54.4 U2.18 ; 278.87,45.31 277.8,44.23 260.9,44.23 259.82,45.31 258.75,44.23 241.85,44.23 240.77,45.31 237.41,41.95 222.71,41.95 219.34,45.31 215.96,41.93 201.29,41.93 197.91,45.31 196.94,44.34 179.83,44.34 178.86,45.31 177.79,44.23 160.89,44.23 159.81,45.31 158.74,44.23 141.84,44.23 140.76,45.31 138.8,43.34 123.68,43.34 121.71,45.31 120.64,44.23 103.74,44.23 102.66,45.31 101.59,44.23 84.69,44.23 83.61,45.31 82.54,44.23 65.64,44.23 64.56,45.31 63.49,44.23 46.59,44.23 45.51,45.31 44.53,44.33 v1(36.78,44.33)
ROW3: length 334.3
  Bottom w0.25: U2.19 24.43,54.87 6.09,54.87 4.42,53.2 4.42,39.99 4.94,39.47 4.94,25.48 5.24,25.18 22.91,25.18 23.95,26.23 23.95,26.25 25.02,25.18 34.91,25.18 35.99,26.26 37.06,25.18 53.96,25.18 55.04,26.26 56.11,25.18 73.01,25.18 74.09,26.26 75.06,25.29 92.17,25.29 93.14,26.26 94.12,25.28 111.2,25.28 112.19,26.26 113.16,25.29 130.27,25.29 131.24,26.26 132.21,25.29 149.32,25.29 150.29,26.26 151.34,25.2 168.28,25.2 169.34,26.26 170.39,25.2 187.29,25.2 188.39,26.3 189.41,25.28 213.6,25.28 214.58,26.26 215.66,25.18 239.7,25.18 240.77,26.26 241.74,25.29 258.86,25.29 259.82,26.26 259.83,26.26 260.9,25.18 277.8,25.18 278.87,26.26
ROW4: length 355.7
  Bottom w0.25: U2.20 5.98,55.4 3.97,53.39 3.97,39.8 4.49,39.28 4.49,13.37 2.59,11.47 2.59,7.82 4.16,6.24 11.21,6.24 12.17,7.21 13.14,6.24 35.02,6.24 35.99,7.21 36.97,6.23 39.07,6.23 40.05,7.21 41.02,6.24 58.83,6.24 59.8,7.21 60.77,6.24 94.55,6.24 95.52,7.21 96.5,6.23 119.94,6.23 120.92,7.21 121.89,6.24 148.56,6.24 149.52,7.21 150.51,6.23 162.8,6.23 163.78,7.21 164.75,6.24 186.62,6.24 187.59,7.21 188.57,6.23 201.69,6.23 202.67,7.21 203.64,6.24 220.76,6.24 221.72,7.21 222.71,6.23 229.47,6.23 230.46,7.21 231.42,6.24 258.86,6.24 259.82,7.21 260.81,6.23 277.89,6.23 278.87,7.21
Net-(D1-A): length 3.9
  Bottom w0.25: MX43b1.2 35.35,29.69 35.99,29.06
Net-(D2-A): length 4.1
  Bottom w0.25: 12.17,86.02 11.54,86.65 MX1.2
Net-(D3-A): length 3.9
  Bottom w0.25: MX16.2 16.3,67.79 16.94,67.16
Net-(D4-A): length 8.7
  Bottom w0.25: 19.22,48.12 18.65,48.69 MX30.2 MX30a1.2
Net-(D5-A): length 13.4
  Bottom w0.25: 23.95,29.05 23.35,29.65 MX43.2 23.33,32.72 MX43a1.2
Net-(D6-A): length 3.9
  Bottom w0.25: 12.17,10.01 11.54,10.64 MX55.2
Net-(D7-A): length 3.9
  Bottom w0.25: MX2.2 30.59,86.84 31.22,86.21
Net-(D8-A): length 3.9
  Bottom w0.25: MX17.2 40.11,67.79 40.75,67.16
Net-(D9-A): length 3.9
  Bottom w0.25: 45.51,48.11 44.88,48.74 MX31.2
Net-(D10-A): length 3.9
  Bottom w0.25: 55.04,29.06 54.4,29.69 MX44.2
Net-(D11-A): length 8.7
  Bottom w0.25: MX56.2 MX56b1.2 35.35,10.64 35.99,10.01
Net-(D12-A): length 3.9
  Bottom w0.25: 50.27,86.21 49.64,86.84 MX3.2
Net-(D13-A): length 3.9
  Bottom w0.25: 59.8,67.16 59.16,67.79 MX18.2
Net-(D14-A): length 3.9
  Bottom w0.25: MX32.2 63.93,48.74 64.56,48.11
Net-(D15-A): length 3.9
  Bottom w0.25: MX45.2 73.45,29.69 74.09,29.06
Net-(D16-A): length 11.1
  Bottom w0.25: 40.05,10.01 43.73,13.69 MX57a1.2
Net-(D17-A): length 3.9
  Bottom w0.25: MX4.2 68.69,86.84 69.32,86.21
Net-(D18-A): length 3.9
  Bottom w0.25: MX19.2 78.21,67.79 78.85,67.16
Net-(D19-A): length 3.9
  Bottom w0.25: 83.61,48.11 82.98,48.74 MX33.2
Net-(D20-A): length 3.9
  Bottom w0.25: MX46.2 92.5,29.69 93.14,29.06
Net-(D21-A): length 3.9
  Bottom w0.25: MX58.2 59.16,10.64 59.8,10.01
Net-(D22-A): length 3.9
  Bottom w0.25: 88.37,86.21 87.74,86.84 MX5.2
Net-(D23-A): length 3.9
  Bottom w0.25: 97.9,67.16 97.26,67.79 MX20.2
Net-(D24-A): length 3.9
  Bottom w0.25: 102.66,48.11 102.03,48.74 MX34.2
Net-(D25-A): length 3.9
  Bottom w0.25: 112.19,29.06 111.55,29.69 111.55,32.74
Net-(D26-A): length 11.1
  Bottom w0.25: 95.52,10.01 94.91,10.61 MX59.2 MX59a1.2
Net-(D27-A): length 3.9
  Bottom w0.25: MX6.2 106.79,86.84 107.42,86.21
Net-(D28-A): length 3.9
  Bottom w0.25: 116.95,67.16 116.31,67.79 MX21.2
Net-(D29-A): length 3.9
  Bottom w0.25: MX35.2 121.08,48.74 121.71,48.11
Net-(D30-A): length 3.9
  Bottom w0.25: 131.24,29.06 130.6,29.69 MX48.2
Net-(D31-A): length 8.5
  Bottom w0.25: MX60a1.2 MX60b1.2 117.24,13.69 120.92,10.01
Net-(D32-A): length 3.9
  Bottom w0.25: MX7.2 125.84,86.84 126.47,86.21
Net-(D33-A): length 3.9
  Bottom w0.25: MX22.2 135.36,67.79 136,67.16
Net-(D34-A): length 3.9
  Bottom w0.25: 140.76,48.11 140.13,48.74 MX36.2
Net-(D35-A): length 3.9
  Bottom w0.25: MX49.2 149.65,29.69 150.29,29.06
Net-(D36-A): length 8.5
  Bottom w0.25: 149.52,10.01 145.84,13.69 MX61a1.2 MX61.2
Net-(D37-A): length 3.9
  Bottom w0.25: 145.52,86.21 144.89,86.84 MX8.2
Net-(D38-A): length 3.9
  Bottom w0.25: MX23.2 154.41,67.79 155.05,67.16
Net-(D39-A): length 3.9
  Bottom w0.25: 159.81,48.11 159.18,48.74 MX37.2
Net-(D40-A): length 3.9
  Bottom w0.25: MX50.2 168.7,29.69 169.34,29.06
Net-(D41-A): length 11.2
  Bottom w0.25: 163.78,10.01 167.46,13.69 MX62.2
Net-(D42-A): length 3.9
  Bottom w0.25: MX51.2 187.75,29.73 188.39,29.1
Net-(D43-A): length 3.9
  Bottom w0.25: 164.57,86.21 163.94,86.84 MX9.2
Net-(D44-A): length 3.9
  Bottom w0.25: MX24.2 173.46,67.79 174.1,67.16
Net-(D45-A): length 3.9
  Bottom w0.25: 178.86,48.11 178.23,48.74 MX38.2
Net-(D46-A): length 13.5
  Bottom w0.25: MX51b1.2 MX51a1.2 213.98,29.66 214.58,29.06
Net-(D47-A): length 8.5
  Bottom w0.25: 187.59,10.01 183.91,13.69 MX63.2 MX63b1.2
Net-(D48-A): length 13.5
  Bottom w0.25: 219.34,48.11 218.68,48.78 MX39b1.2 MX39.2
Net-(D49-A): length 3.9
  Bottom w0.25: MX10.2 182.99,86.84 183.62,86.21
Net-(D50-A): length 3.9
  Bottom w0.25: MX25.2 192.51,67.79 193.15,67.16
Net-(D51-A): length 3.9
  Bottom w0.25: 197.91,48.11 197.28,48.74 MX39a1.2
Net-(D52-A): length 3.9
  Bottom w0.25: MX52.2 240.14,29.69 240.77,29.06
Net-(D53-A): length 8.7
  Bottom w0.25: 202.67,10.01 202.04,10.64 MX64b1.2 MX64.2
Net-(D54-A): length 7.1
  Bottom w0.25: MX11.2 202.04,83.67 202.67,83.03
Net-(D55-A): length 24.7
  Bottom w0.25: MX26a1.2 217.15,61.31 216.33,62.14 MX26.2 224.39,70.84 228.07,67.16
Net-(D56-A): length 3.9
  Bottom w0.25: MX40.2 240.14,48.74 240.77,48.11
Net-(D57-A): length 3.9
  Bottom w0.25: 259.82,29.06 259.19,29.69 MX53.2
Net-(D58-A): length 3.9
  Bottom w0.25: 221.72,10.01 221.09,10.64 MX65b1.2
Net-(D59-A): length 16.6
  Bottom w0.25: 221.72,83.03 221.09,83.67 MX12.2 MX12a1.2
Net-(D60-A): length 3.9
  Bottom w0.25: MX27.2 240.14,67.79 240.77,67.16
Net-(D61-A): length 3.9
  Bottom w0.25: 259.82,48.11 259.19,48.74 MX41.2
Net-(D62-A): length 3.9
  Bottom w0.25: MX54.2 278.24,29.69 278.87,29.06
Net-(D63-A): length 20.7
  Bottom w0.25: MX66a1.2 MX66.2 234.14,13.69 230.46,10.01
Net-(D64-A): length 3.9
  Bottom w0.25: MX13.2 240.14,86.84 240.77,86.21
Net-(D65-A): length 3.9
  Bottom w0.25: MX28.2 259.19,67.79 259.82,67.16
Net-(D66-A): length 3.9
  Bottom w0.25: 278.87,48.11 278.24,48.74 MX42.2
Net-(D67-A): length 3.9
  Bottom w0.25: MX67.2 259.19,10.64 259.82,10.01
Net-(D68-A): length 3.9
  Bottom w0.25: MX14.2 259.19,86.84 259.82,86.21
Net-(D69-A): length 3.8
  Bottom w0.25: 278.87,67.35 278.24,67.98 MX29.2
Net-(D70-A): length 3.9
  Bottom w0.25: 278.87,86.21 278.24,86.84 MX15.2
Net-(D71-A): length 3.9
  Bottom w0.25: 278.87,10.01 278.24,10.64 MX68.2
Net-(J3-CC1): length 7.9
  Bottom w0.25: R_USB1.1 16.94,88.02 J3.A5
Net-(J3-CC2): length 20.7
  Bottom w0.25: J3.B5 19.42,89.93 20.08,90.59 24.65,90.59 25.69,89.55 25.69,86.79 25.68,86.78 25.68,84.03 24.58,82.93 21.4,82.93 20.71,82.24 R_USB2.1

## Copper pours and planes (outline as drawn; the poured copper is in the pictures)
GND on Top, Bottom: 13.55,94.08 23.53,94.09 23.53,91.39 12.76,91.39 12.76,94.09
GND on Top, Bottom: 282.75,1.56 1.95,1.56 1.95,91.86 282.75,91.86

## Text on the board
B.Silkscreen: 5.1k | 100 | 10uF | 1uF | fuse | 10k | shifter | usb | mcu | boot | jst | lod | 1 | stepped | 125 | 150 | 175 | 225 | 3 | 275 | 625 | 10 | 7 | 6 | 2 | ISO
F.Silkscreen: concept by Soyo / pcb design by calvin#0563 | QAZIMODO 60 | v1.1
